# Altium PCB PCB1.PcbDoc
Units mil, origin at the board's own origin, x right, y up, seen from the top; angles counter-clockwise.
Board outline 6000 x 4000 mil, 2 copper layers (Top Layer, Bottom Layer); 18 components, 53 nets, 190 pads, 42 vias.
Unrouted connection lines stored in the file: 32.
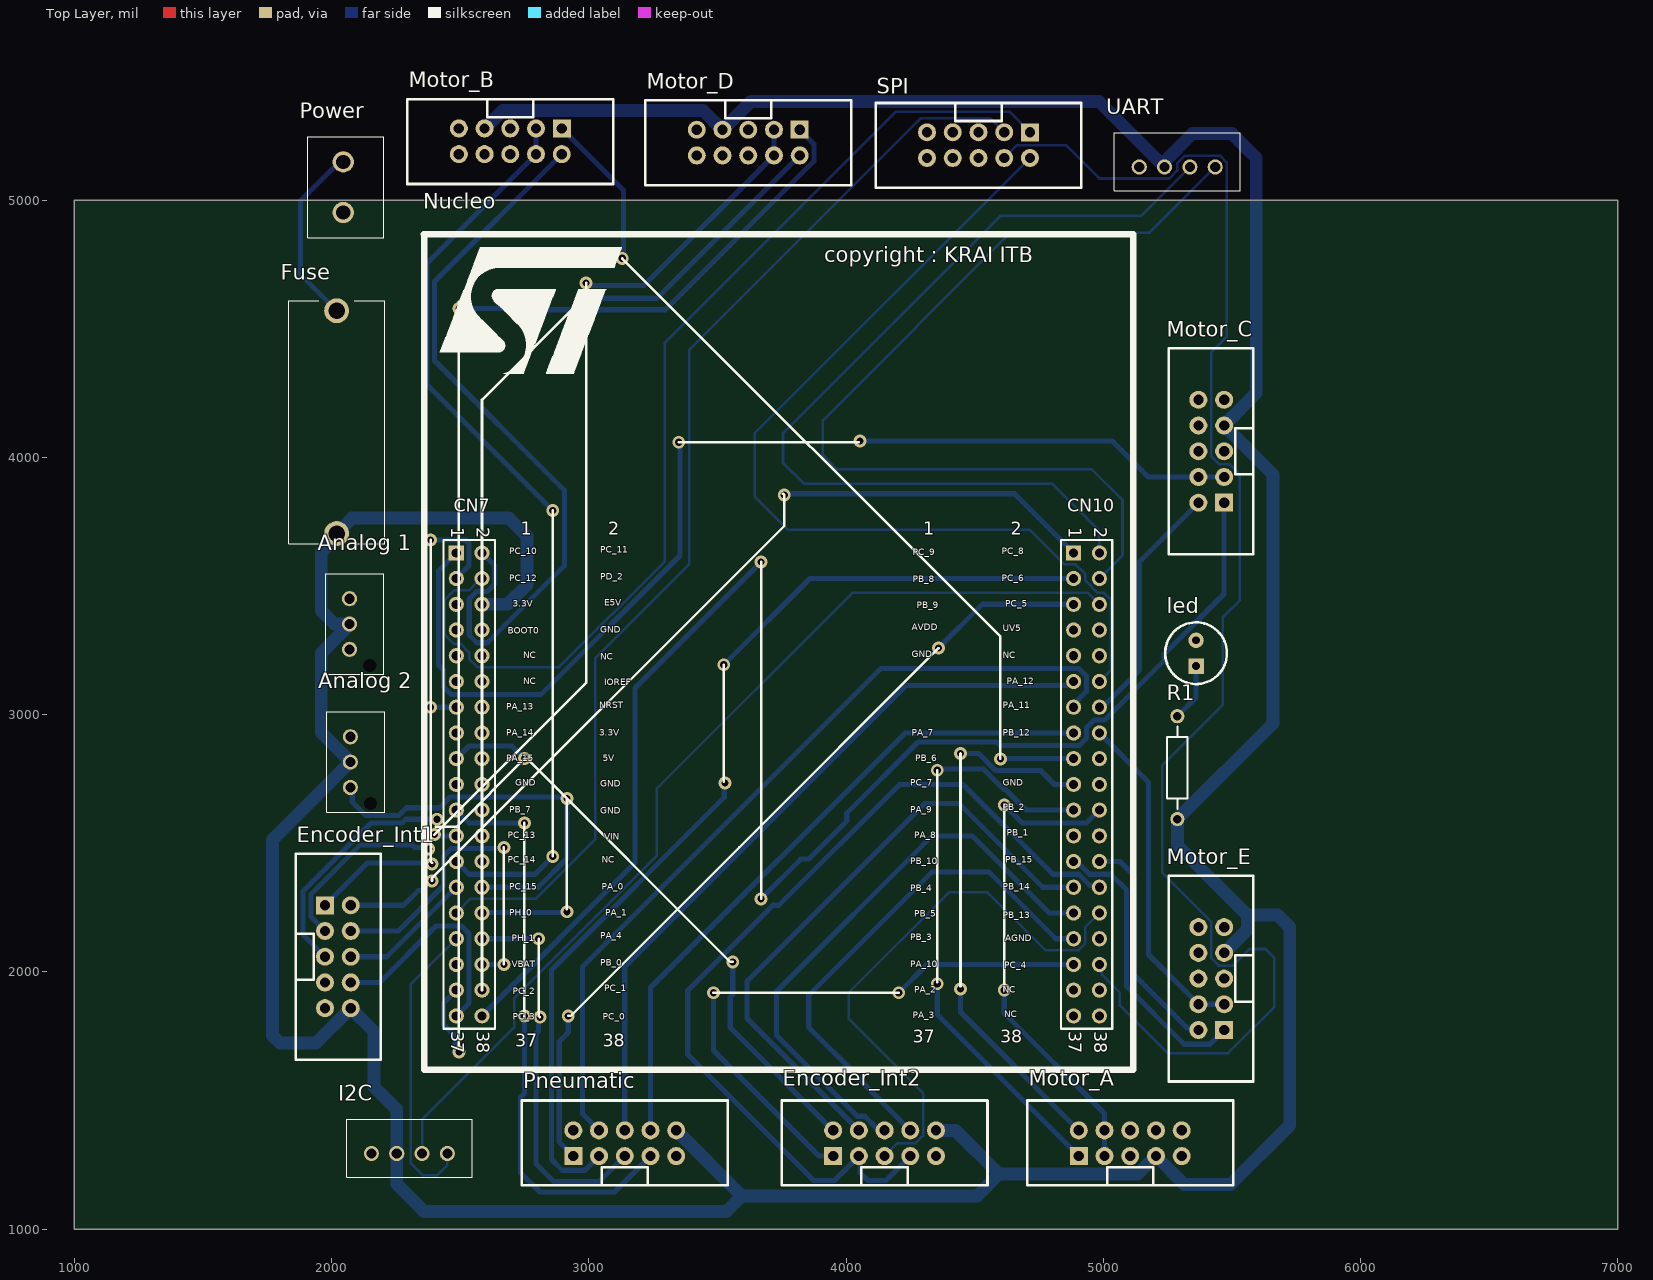
[diagram p0: Top Layer view]
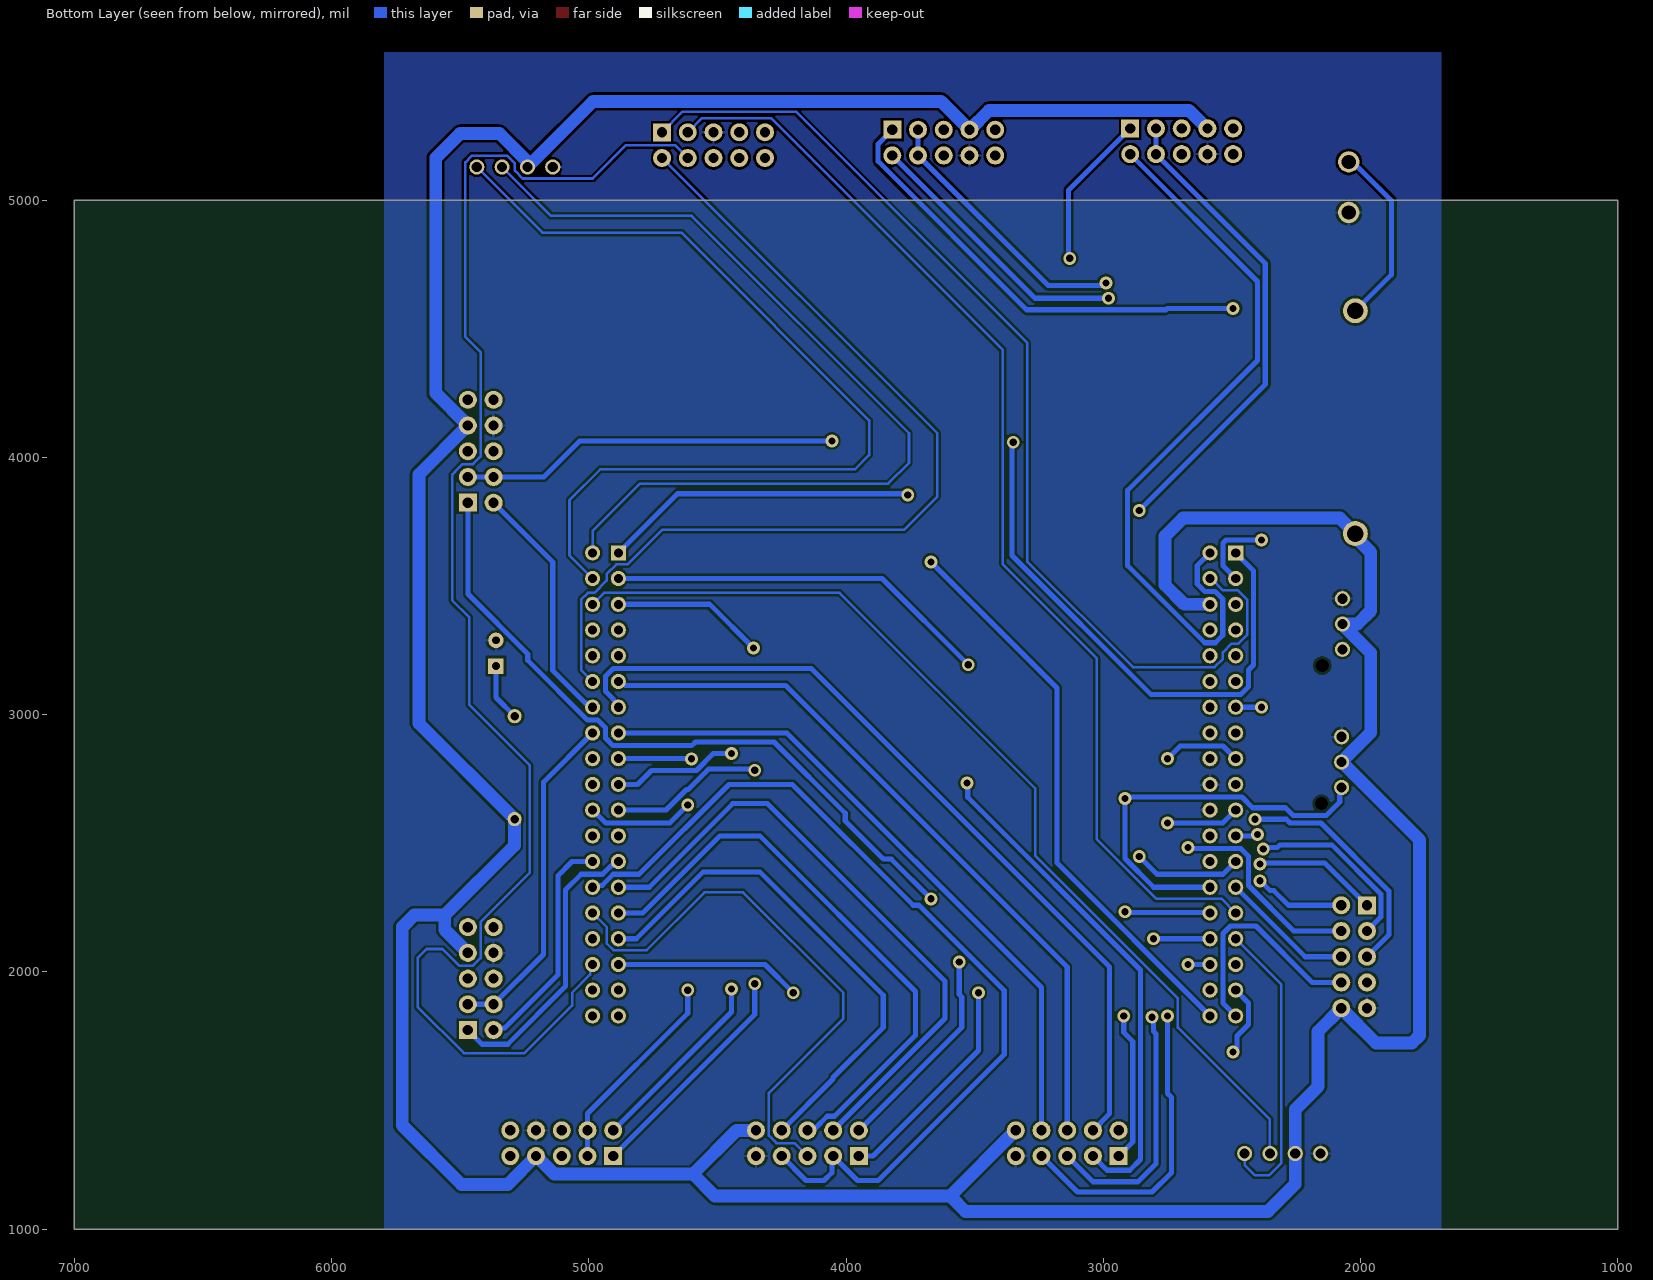
[diagram p1: Bottom Layer view, seen from below]

## Layer stack, top to bottom
Top Solder: solder mask 0.4, Solder Resist, Dk 3.5
Top Layer: signal copper 1.4
Dielectric 1: dielectric 12.6, FR-4, Dk 4.8
Bottom Layer: signal copper 1.4
Bottom Solder: solder mask 0.4, Solder Resist, Dk 3.5

## Board outline
1000,1000 7000,1000 7000,5000 1000,5000

## Design rules (kind name [scope] priority, off if disabled: settings)
Clearance [All] p1: gap=10 ignorepadtopadclearanceinfootprint=FALSE except(0: Arc-Hole Track-Hole SMDPad-Hole THPad-Hole Via-Hole Fill-Hole Poly-Hole Region-Hole Text-Hole)
PolygonConnect [All] p1: connectstyle=Relief reliefconductorwidth=10 reliefentries=4 polygonreliefangle="90 Angle" airgapwidth=10
RoomDefinition "Schematic Tugas 1_Magang 2" [InComponentClass('Schematic Tugas 1_Magang 2')] p1: confinementstyle=ConfineIn formatcopy=TRUE lockcomponents=FALSE outline 1685,984.03 5795,984.03 5795,5559.03 1685,5559.03
RoutingVias [All] p1: holewidth=28 width=50 viastyle="Through Hole" minholewidth=28 minwidth=50 maxholewidth=28 maxwidth=50
SolderMaskExpansion [All] p1: expansion=4 istentingtop=FALSE
Width [All] p1: maxlimit=50 minlimit=10 preferedwidth=20 toplayer_maxwidth=10 toplayer_prefwidth=10 minimp=50.000000 maximp=50.000000 favimp=50.000000
30 further rules are at their usual default settings.

## Components (designator, comment, footprint, x,y, rotation, side; value= is the part's Value field where it differs from the comment)
"Analog 1" "B3B-XH-AM_LF__SN_" B3BXHAMLFSN 2070,3450.88 r270 top
"Analog 2" "B3B-XH-AM_LF__SN_" B3BXHAMLFSN 2073.15,2914.03 r270 top
Encoder_Int1 "Header ISP" "Header ISP" 1874.72,2159.03 r270 top
Encoder_Int2 "Header ISP" "Header ISP" 4050,1184.03 r0 top
Fuse "C3131" C3131 2020,3704.03 r90 top
I2C "B4B-XH-A_LF__SN_" B4BXHALFSN 2155,1294.03 r0 top
led "LED 5mm" "LED 5mm" 5360.81,3239.03 r90 top
Motor_A "Header ISP" "Header ISP" 5005,1184.03 r0 top
Motor_B "Header ISP" "Header ISP" 2795,5379.03 r180 top
Motor_C "Header ISP" "Header ISP" 5570,3924.03 r90 top
Motor_D "Header ISP" "Header ISP" 3720,5374.03 r180 top
Motor_E "Header ISP" "Header ISP" 5570,1874.03 r90 top
Nucleo "Shield Nucleo F446RE/F401RE no Pinout" "Shield Nucleo-F446RE/F401RE-tanpaPinOut" 3760,3079.03 r0 top
Pneumatic "Header ISP" "Header ISP" 3040,1184.03 r0 top
Power "KF301-2P" KF3012P 2045.59,5149.03 r270 top
R1 "Resistor 0.25W" "Resistor 0.25W" 5288.1,2794.03 r90 top
SPI "Header ISP" "Header ISP" 4615,5364.03 r180 top
UART "B4B-XH-A_LF__SN_" B4BXHALFSN 5140,5129.03 r0 top

## Footprints (in the part's own frame and the unit in brackets; to place one, negate y for a bottom-side part, rotate by r counter-clockwise, add the part's x,y. Pads: shape width x height; smd on the part's side, far side on the other; paste and mask are expansions set on the pad)
B3BXHAMLFSN [mm]
  round 1.5 hole 1: 1(0,0) 2(2.5,0) 3(5,0)
  round 0.65 hole 1.3 unplated: 4(6.6,2)
  silkscreen extent -2.45,-2.35 7.45,3.4, body extent -2.45,-2.35 7.45,3.4, height 7.1
B4BXHALFSN [mm]
  round 1.5 hole 1: 1(0,0) 2(2.5,0) 3(5,0) 4(7.5,0)
  silkscreen extent -2.45,-2.35 9.95,3.4, body extent -2.45,-2.35 9.95,3.4, height 7.52
C3131 [mm]
  round 2.46 hole 1.64: 1(0,0) 2(22,0)
  silkscreen extent -1,-4.75 23,4.75, body extent -1,-4.75 23,4.75, height 10.6
"Header ISP" [mil]
  rect 70x70 hole 40: 1(-100,100)
  round 70 hole 40: 2(-100,200) 3(0,100) 4(0,200) 5(100,100) 6(100,200) 7(200,100) 8(200,200) 9(300,100) 10(300,200)
  silkscreen extent -300,-14 500,316, body extent -300,-20 501,334, height 365
KF3012P [mm]
  round 2.1 hole 1.4: 1(0,0) 2(5,0)
  silkscreen extent -2.5,-3.5 7.5,4, body extent -2.99,-3.35 7.51,4.15, height 10
"LED 5mm" [mil]
  rect 60x60 hole 30: 1(-50,0)
  round 60 hole 30: 2(50,0)
  silkscreen extent -120,-120 120,120, body extent -117,-118 96,118, height 268
"Resistor 0.25W" [mm]
  round 1.4 hole 0.85: 1(-5.08,0) 2(5.08,0)
  silkscreen extent -4.06,-1.02 4.06,1.02, body extent -5.35,-1.27 5.35,1.33, height 2.7
"Shield Nucleo-F446RE/F401RE-tanpaPinOut" [mm] "Tanpa pin out"
  round 1.5 hole 0.9: 3.3V(-32.385,8.89) 3V3(-29.845,-3.81) 5V(-29.845,-6.35) AGND(31.115,-24.13) AVDD(28.575,6.35) BOOT0(-32.385,6.35) E5V(-29.845,8.89) GND(-29.845,6.35) GND1(-32.385,-8.89) GND2(-29.845,-8.89) GND3(-29.845,-11.43) GND4(28.575,3.81) GND5(31.115,-8.89) IOREF(-29.845,1.27) NC1(-32.385,3.81) NC2(-32.385,1.27) NC3(-29.845,3.81) NC4(-29.845,-16.51) NC5(31.115,3.81) NC6(31.115,-6.35) NC7(31.115,-29.21) NC8(31.115,-31.75) NRST(-29.845,-1.27) PA_0(-29.845,-19.05) PA_1(-29.845,-21.59) PA_2(28.575,-29.21) PA_3(28.575,-31.75) PA_4(-29.845,-24.13) PA_5(28.575,1.27) PA_6(28.575,-1.27) PA_7(28.575,-3.81) PA_8(28.575,-13.97) PA_9(28.575,-11.43) PA_10(28.575,-26.67) PA_11(31.115,-1.27) PA_12(31.115,1.27) PA_13(-32.385,-1.27) PA_14(-32.385,-3.81) PA_15(-32.385,-6.35) PB_0(-29.845,-26.67) PB_1(31.115,-13.97) PB_2(31.115,-11.43) PB_3(28.575,-24.13) PB_4(28.575,-19.05) PB_5(28.575,-21.59) PB_6(28.575,-6.35) PB_7(-32.385,-11.43) PB_8(28.575,11.43) PB_9(28.575,8.89) PB_10(28.575,-16.51) PB_12(31.115,-3.81) PB_13(31.115,-21.59) PB_14(31.115,-19.05) PB_15(31.115,-16.51) PC_0(-29.845,-31.75) PC_1(-29.845,-29.21) PC_2(-32.385,-29.21) PC_3(-32.385,-31.75) PC_4(31.115,-26.67) PC_5(31.115,8.89) PC_6(31.115,11.43) PC_7(28.575,-8.89) PC_8(31.115,13.97) PC_11(-29.845,13.97) PC_12(-32.385,11.43) PC_13(-32.385,-13.97) PC_14(-32.385,-16.51) PC_15(-32.385,-19.05) PD_2(-29.845,11.43) PH_0(-32.385,-21.59) PH_1(-32.385,-24.13) UV5(31.115,6.35) VBAT(-32.385,-26.67) VIN(-29.845,-13.97)
  rect 1.5x1.5 hole 0.9: PC_9(28.575,13.97) PC_10(-32.385,13.97)
  Bottom Layer lines w0.254: 28.321,-13.716 28.575,-13.97
  silkscreen extent -35.59,-37.08 34.44,45.42, body extent -35.58,-36.78 34.42,47.19, height 21.99

## Part data
"Analog 1" "Analog 2": "Connector", Arrow Part Number=B3B-XH-AM(LF)(SN), Manufacturer_Name="JST (JAPAN SOLDERLESS TERMINALS)", Arrow Price/Stock=https://www.arrow.com/en/products/b3b-xh-a-m-lf-sn/jst-manufacturing?region=europe, Datasheet Link=http://www.jst-mfg.com/product/pdf/eng/eXH.pdf, Height=7mm, Manufacturer_Part_Number=B3B-XH-AM(LF)(SN)
Fuse: "Undefined or Miscellaneous", Manufacturer_Name="Xucheng Elec", Datasheet Link=https://datasheet.lcsc.com/szlcsc/XC-Elec-Shenzhen-5x20-BLX-Fuse-holder_C3131.pdf, Height=10.5mm, Manufacturer_Part_Number=C3131
I2C UART: "Connector", Arrow Part Number=B4B-XH-A(LF)(SN), Manufacturer_Name="JST (JAPAN SOLDERLESS TERMINALS)", Arrow Price/Stock=https://www.arrow.com/en/products/b4b-xh-a-lf-sn/jst-manufacturing, Datasheet Link=https://datasheet.lcsc.com/szlcsc/JST-Sales-America-B4B-XH-A-LF-SN_C144395.pdf, Height=7mm, Manufacturer_Part_Number=B4B-XH-A(LF)(SN)
Nucleo: library part "Shield Nucleo-F446RE/F401RE-tanpa Pinout", "Tanpa Pinout"
Power: "Connector", Manufacturer_Name="Handson Technology", Datasheet Link=http://www.handsontec.com/dataspecs/terminal%20block-5mm.pdf, Height=10mm, Manufacturer_Part_Number=KF301-2P

## Via types
v1: diameter 50, hole 28, Top Layer to Bottom Layer, 42 vias

## Nets (pads, with @x,y where several pads share a name; then routed paths per layer and width w, separated by ;. In a path a pad name is that pad's centre, name@x,y a point inside that pad or via, vN(x,y) a via of type N, cw(c..) or ccw(c..) an arc to the next point about the centre after c; other vN are vias at no path point)
5V: "Analog 1.2" "Analog 2.2" Encoder_Int1.10 Encoder_Int2.10 Fuse.1 I2C.2 Motor_A.7 Motor_B.7 Motor_C.7 Motor_D.7 Motor_E.7 Nucleo.E5V Pneumatic.10 R1.1 UART.2 | length 16810.7
  Bottom Layer w50: Nucleo.E5V 2685,3429.03 2760,3504.03 2760,3694.03 2690,3764.03 2080,3764.03 Fuse.1 2020,3691.35 1960,3631.35 1960,3404.03 2011.57,3352.45 2070,3352.45 2070,3350 1960,3240 1960,2931.2 2073.15,2818.05 2073.15,2815.6 1770,2512.45 1770,1753.31 1799.29,1724.03 1939.72,1724.03 Encoder_Int1.10 2165,1768.74 2165,1554.03 2253.43,1465.6 I2C.2 2253.43,1175.6 2360,1069.03 3535,1069.03 3595,1129.03 ; Motor_B.7 2596.01,5279.03 2666.01,5349.03 3443.99,5349.03 3518.99,5274.03 Motor_D.7 3630,5384.03 4983.43,5384.03 UART.2 5240.16,5130.76 5240.16,5151.87 5347.31,5259.03 5500,5259.03 5595,5164.03 5595,4250.03 5470,4125.03 Motor_C.7 5660,3934.03 5660,2965.92 R1.1 5289.08,2593.05 5289.08,2491.66 5560,2220.74 ; Pneumatic.10 3595,1129.03 ; Encoder_Int2.10 4425,1384.03 4595,1214.03 ; Motor_E.7 5560,2164.03 5560,2220.74 ; 3595,1129.03 4510,1129.03 4595,1214.03 ; 4595,1214.03 5133.99,1214.03 5203.99,1284.03 Motor_A.7 5315,1174.03 5495,1174.03 5725,1404.03 5725,2174.03 5678.28,2220.74 5560,2220.74
Fuse: Fuse.2 Power.1 | length 714.6
  Bottom Layer w20: Fuse.2 1880,4710.17 1880,4999.03 2030,5149.03 Power.1
GND: "Analog 1.1" "Analog 2.1" Encoder_Int1.9 Encoder_Int2.9 I2C.1 led.2 Motor_A.8 Motor_B.8 Motor_C.8 Motor_D.8 Motor_E.8 Nucleo.GND2 Nucleo.GND3 Pneumatic.9 Power.2 SPI.5 UART.1
Netled_1: led.1 R1.2 | length 225.1
  Bottom Layer w20: R1.2 5360.81,3066.73 led.1
PA_0: "Analog 2.3" Nucleo.PA_0 | length 1556.8
  Bottom Layer w20: 2073.15,2717.17 2080.62,2709.7 2080.62,2660.98 2133.01,2608.59 2261.29,2608.59 2290.9,2638.21 2419.18,2638.21 2460.47,2679.5 2909.53,2679.5 v1(2915,2674.03) 2915,2440.39 2803.64,2329.03 Nucleo.PA_0
PA_1: "Analog 1.3" Nucleo.PA_1 | length 332.1
  Bottom Layer w20: Nucleo.PA_1 2587.5,2231.53 2912.5,2231.53 v1(2915,2234.03)
PA_4: Nucleo.PA_4 Pneumatic.5 | length 1211.6
  Bottom Layer w20: Nucleo.PA_4 v1(2805,2129.03) ; v1(2810,1824.03) 2805,1819.03 2805,1769.03 2795,1759.02 2795,1254.03 2865,1184.03 3040,1184.03 Pneumatic.5
PA_5: Nucleo.PA_5 Pneumatic.6 | length 2839.8
  Bottom Layer w20: Pneumatic.6 3140,2019.03 4235,3114.03 4859.43,3114.03 4874.43,3129.03 Nucleo.PA_5
PA_6: Nucleo.PA_6 Pneumatic.4 | length 3255.2
  Bottom Layer w20: Pneumatic.4 2975,1449.03 2975,2019.03 4135,3179.03 4905.04,3179.03 4934.53,3149.54 4934.53,3091.02 4905.47,3061.97 4905.47,3060.07 4885,3039.59 Nucleo.PA_6
PA_7: Nucleo.PA_7 Pneumatic.8 | length 2610.1
  Bottom Layer w20: Pneumatic.8 3240,1939.03 4230,2929.03 Nucleo.PA_7
PA_8: Nucleo.PA_8
PA_9: Motor_A.1 Nucleo.PA_9 | length 1496.2
  Bottom Layer w20: v1(4355,1954.03) 4355,1834.03 Motor_A.1 ; v1(4355,2784.03) 4360,2789.03 4533.46,2789.03 4613.46,2709.03 4620,2709.03 4700,2629.03 Nucleo.PA_9
PA_10: Encoder_Int2.1 Nucleo.PA_10 | length 1585.4
  Bottom Layer w20: v1(3485,1919.03) 3485,1694.03 3895,1284.03 Encoder_Int2.1 ; v1(4205,1919.03) 4315,2029.03 Nucleo.PA_10
PA_11: Motor_C.2 Nucleo.PA_11 | length 961.8
  Bottom Layer w20: Nucleo.PA_11 4995.57,3029.03 5016.04,3049.5 5017.94,3049.5 5140,3171.56 5140,3594.03 Motor_C.2
PA_12: Nucleo.PA_12 SPI.2 | length 3661.4
  Bottom Layer w10: SPI.2 3645,4094.03 3645,3848.67 3774.91,3718.76 4715,3718.76 4849.26,3584.5 4892.5,3584.5 4930.21,3546.79 4930.21,3520.84 4977.5,3473.55 5003.44,3473.55 5029.53,3447.47 5029.53,3173.55 Nucleo.PA_12
PA_13: Encoder_Int1.1 Nucleo.PA_13 | length 586
  Bottom Layer w20: Encoder_Int1.1 2139.72,2424.03 2385.93,2424.03 v1(2390.47,2419.49) ; v1(2385,3029.03) Nucleo.PA_13
PA_14: Nucleo.PA_14
PA_15: Encoder_Int1.5 Encoder_Int2.2 Nucleo.PA_15 | length 2057.3
  Bottom Layer w20: Encoder_Int1.5 1889.72,2144.03 1889.72,2314.74 2153.39,2578.41 2273.53,2578.41 2288.33,2593.21 v1(2409.86,2593.21) ; Nucleo.PA_15 2534.53,2878.55 2700.47,2878.55 v1(2750,2829.03) ; v1(3560,2039.03) 3560,1912.47 3550,1902.47 3550,1784.03 Encoder_Int2.2
PB_0: Encoder_Int1.4 Nucleo.PB_0 | length 882.1
  Bottom Layer w20: Encoder_Int1.4 2259.34,2159.03 2435.7,2335.39 2435.7,2392.35 2435.47,2392.57 2435.47,2449.54 2465.43,2479.5 2665.47,2479.5 v1(2670,2484.03) ; Nucleo.PB_0 v1(2670,2029.03)
PB_1: Nucleo.PB_1
PB_2: Motor_A.3 Motor_A.4 Nucleo.PB_2 | length 1225.9
  Bottom Layer w20: v1(4615,1929.03) 4615,1839.03 5005,1449.03 Motor_A.4 Motor_A.3 ; v1(4615,2649.03) 4684.53,2579.5 4935.47,2579.5 Nucleo.PB_2
PB_3: Encoder_Int2.8 Nucleo.PB_3 | length 2025.1
  Bottom Layer w20: Encoder_Int2.8 4050,1584.03 4050,1589.03 3855,1784.03 3855,1909.03 4335,2389.03 4555,2389.03 4815,2129.03 Nucleo.PB_3
PB_4: Encoder_Int2.4 Nucleo.PB_4 | length 2450.6
  Bottom Layer w20: Encoder_Int2.4 3615,1819.03 3615,1964.03 4305,2654.03 4440,2654.03 4765,2329.03 Nucleo.PB_4
PB_5: Encoder_Int2.6 Nucleo.PB_5 | length 2273.1
  Bottom Layer w20: Encoder_Int2.6 4140.43,1393.59 4118.21,1393.59 4072.78,1439.03 4045,1439.03 3730,1754.03 3730,1924.03 4335,2529.03 4490,2529.03 4790,2229.03 Nucleo.PB_5
PB_6: Motor_B.1 Nucleo.PB_6 | length 899
  Bottom Layer w20: Motor_B.1 3135,5039.03 3135,4779.03 v1(3130,4774.03) ; v1@4595,2833.56 v1(4600.29,2828.27) 4601.05,2829.03 Nucleo.PB_6
PB_7: Nucleo.PB_7 Pneumatic.7 | length 1496
  Bottom Layer w20: Nucleo.PB_7 2535,2579.03 v1(2750,2579.03) ; v1(2750,1829.03) 2750,1527.47 2735,1512.47 2735,1219.03 2810,1144.03 3100,1144.03 Pneumatic.7
PB_8: Nucleo.PB_8 Pneumatic.3 | length 3466.7
  Bottom Layer w20: Pneumatic.3 2985,1229.03 2896.72,1229.03 2855,1270.74 2855,2007.1 3526.92,2679.03 3526.92,2730.95 v1(3530,2734.03) ; v1(3525,3194.03) 3860,3529.03 Nucleo.PB_8
PB_9: Nucleo.PB_9 Pneumatic.1 | length 1177.7
  Bottom Layer w20: v1(2920,1829.03) 2920,1764.03 2885,1729.03 2885,1339.03 Pneumatic.1 ; v1(4360,3259.03) 4530,3429.03 Nucleo.PB_9
PB_10: Motor_E.1 Nucleo.PB_10 | length 1121.5
  Bottom Layer w20: Nucleo.PB_10 4895.57,2429.03 4916.04,2408.55 4917.94,2408.55 4947,2379.5 5029.53,2379.5 5090,2319.03 5090,1944.03 5315,1719.03 5415,1719.03 Motor_E.1
PB_11: Encoder_Int1.7
PB_12: Motor_E.3 Motor_E.4 Nucleo.PB_12 | length 1314.5
  Bottom Layer w20: Nucleo.PB_12 5176.45,2737.57 5176.45,2067.57 Motor_E.4 Motor_E.3
PB_13: Encoder_Int2.5 Nucleo.PB_13 | length 2185.6
  Bottom Layer w10: Encoder_Int2.5 4200,1334.03 4270.71,1334.03 4300,1363.31 4300,1377.17 cw(c4349.54,1383.96) 4299.88,1378.11 ; 4299.88,1378.15 cw(c4309.81,1379.28) 4299.84,1380.03 ccw(c4250,1384.03) 4299.84,1387.97 4299.82,1388.65 4299.82,1529.21 4010,1819.03 4010,1919.03 4400,2309.03 4550,2309.03 4774.53,2084.5 4904.53,2084.5 4929.53,2109.5 4929.53,2173.55 Nucleo.PB_13
PB_14: Encoder_Int2.3 Encoder_Int2.7 Nucleo.PB_14 | length 3567.4
  Bottom Layer w20: Encoder_Int2.7 4155,1189.03 4085,1189.03 4055,1219.03 4055,1279.03 Encoder_Int2.3 3955,1189.03 3875,1189.03 3385,1679.03 3385,1927.66 3716.36,2259.03 3738.64,2259.03 4208.64,2729.03 4455,2729.03 4804.53,2379.5 4904.57,2379.5 4947.57,2336.5 4977.53,2336.5 Nucleo.PB_14
PB_15: Motor_E.2 Nucleo.PB_15 | length 881.8
  Bottom Layer w20: Nucleo.PB_15 5065,2429.03 5120,2374.03 5120,1989.03 5326.54,1782.49 5361.54,1782.49 Motor_E.2
PC_0: Motor_C.1 Nucleo.PC_0 | length 4928
  Bottom Layer w20: Nucleo.PC_0 3180,2424.03 3180,3104.03 v1(3670,3594.03) ; v1(3670,2284.03) 3824.31,2438.33 3854.31,2438.33 4002.87,2586.9 4002.87,2616.9 4280,2894.03 4585.49,2894.03 4600.02,2879.5 4905.52,2879.5 4935,2908.98 4935,2949.07 4965.43,2979.5 5005.52,2979.5 5237.28,3211.27 5237.28,3236.21 5470,3468.93 Motor_C.1
PC_1: Motor_D.2 Nucleo.PC_1 | length 1069.9
  Bottom Layer w20: v1(2980,4619.03) 3265,4619.03 Motor_D.2
PC_2: Motor_D.1 Nucleo.PC_2 | length 2045.7
  Bottom Layer w20: v1@2480,1689.03 2480,1751.06 2435.47,1795.58 2435.47,1879.5 Nucleo.PC_2 ; v1(2495,4579.03) 2751.25,4579.03 2756.25,4574.03 3297.78,4574.03 3875,5151.24 3875,5219.03 Motor_D.1
  other v1: 2495,1689.03
PC_3: Encoder_Int1.8 Nucleo.PC_3 | length 903.8
  Bottom Layer w20: Encoder_Int1.8 2187.12,1959.03 2406.64,2178.55 2505.51,2178.55 2534.53,2149.54 2534.53,1878.55 Nucleo.PC_3
PC_4: Nucleo.PC_4 SPI.4 | length 5828.3
  Bottom Layer w10: SPI.4 4665,5214.03 4855.08,5214.03 4984.6,5084.5 5256.87,5084.5 5287.64,5115.27 5287.64,5142.78 5318.41,5173.55 5453.72,5173.55 5479.8,5147.47 5479.8,4468.83 5420,4409.03 5420,4003.31 5449.29,3974.03 5490.71,3974.03 5520,3944.74 5520,3944.03 5530,3934.03 5530,3904.03 5530.86,3903.17 5530.86,3444.88 5465,3379.03 5465,3039.03 5230,2804.03 5230,2384.74 5420,2194.74 5420,2053.31 5449.29,2024.03 5503.85,2024.03 5568.85,2089.03 5630,2089.03 5665,2054.03 5665,1864.03 5485,1684.03 5250,1684.03 5065,1869.03 5065,1919.03 4994.39,1989.64 4994.39,2019.64 Nucleo.PC_4
PC_5: I2C.3 Nucleo.PC_5 | length 3851.3
  Bottom Layer w10: I2C.3 2351.85,1425.88 2710,1784.03 2710,1897.46 3265,2452.46 3265,2714.03 4024.53,3473.55 4940.47,3473.55 Nucleo.PC_5
PC_6: Nucleo.PC_6 UART.4 | length 3648
  Bottom Layer w10: Nucleo.PC_6 5075,3619.03 5075,3834.03 4955,3954.03 3965,3954.03 3910,4009.03 3910,4144.03 4639.72,4873.75 5180,4873.75 UART.4
PC_7: Motor_A.2 Nucleo.PC_7 | length 1230.2
  Bottom Layer w20: v1(4445,1934.03) 4445,1844.03 Motor_A.2 ; v1(4445,2849.03) 4515.89,2849.03 4581.65,2783.27 4755.76,2783.27 4810,2729.03 Nucleo.PC_7
PC_8: Nucleo.PC_8 UART.3 | length 3550.3
  Bottom Layer w10: Nucleo.PC_8 4985,3714.03 4800.86,3898.17 3835.86,3898.17 3755,3979.03 3755,4094.03 4600,4939.03 5146.85,4939.03 UART.3
PC_9: Encoder_Int1.2 Nucleo.PC_9 | length 1577.7
  Bottom Layer w20: Encoder_Int1.2 2280,2259.03 2336.89,2315.91 2351.03,2315.91 2389.14,2354.03 v1(2390.7,2354.03) ; v1(3760,3854.03) 3765,3859.03 4655,3859.03 Nucleo.PC_9
PC_10: Motor_C.3 Motor_C.4 Nucleo.PC_10 | length 3628.1
  Bottom Layer w20: Nucleo.PC_10 2415.47,3559.5 2415.47,3193.55 2435.47,3173.55 2435.47,3108.51 2464.96,3079.03 2815,3079.03 3355,3619.03 3355,4054.03 v1(3350,4059.03) ; v1(4055,4064.03) 5035,4064.03 5175,3924.03 Motor_C.4 Motor_C.3
PC_11: Motor_B.2 Nucleo.PC_11 | length 2925.4
  Bottom Layer w20: Nucleo.PC_11 2634.53,3579.5 2634.53,3508.51 2605.04,3479.03 2564.96,3479.03 2535.47,3449.54 2535.47,3308.51 2564.49,3279.5 2605.51,3279.5 2905,3578.98 2905,3872.24 2400,4377.24 2400,4684.03 Motor_B.2
PC_12: Encoder_Int1.3 Nucleo.PC_12 | length 1023.3
  Bottom Layer w20: Encoder_Int1.3 1919.72,2214.03 1919.72,2302.31 2111.43,2494.03 2313.05,2494.03 2323.15,2483.93 2372.31,2483.93 v1(2378.05,2478.19) ; v1(2385,3679.03) 2385.47,3678.55 2522.81,3678.55 2534.53,3666.84 2534.53,3578.55 Nucleo.PC_12
PC_13: Motor_D.3 Motor_D.4 Nucleo.PC_13 | length 1130.2
  Bottom Layer w20: v1(2400,2534.03) 2405,2529.03 Nucleo.PC_13 ; v1(2989.81,4678.22) 2997.93,4678.22 3007.12,4669.03 3215,4669.03 Motor_D.4 Motor_D.3
PC_14: Motor_B.3 Motor_B.4 Nucleo.PC_14 | length 2288.3
  Bottom Layer w20: Nucleo.PC_14 2534.53,2379.5 2790.47,2379.5 v1(2860,2449.03) ; Motor_B.3 Motor_B.4 2370,4754.03 2370,4284.03 v1(2860,3794.03)
PC_15: Encoder_Int1.6 Nucleo.PC_15 | length 522.1
  Bottom Layer w20: Encoder_Int1.6 2215,2059.03 Nucleo.PC_15
PD_2: Nucleo.PD_2 SPI.1 | length 4082.5
  Bottom Layer w10: Nucleo.PD_2 2579.6,3529.03 2534.13,3483.55 2476.56,3483.55 2440.47,3447.47 2440.47,3310.58 2474.76,3276.29 2500.71,3276.29 2535,3242 2535,3216.05 2566.56,3184.5 2885.12,3184.5 3295,3594.38 3295,4444.03 4195,5344.03 4635,5344.03 SPI.1
PH_0: Nucleo.PH_0 SPI.3 | length 4332.9
  Bottom Layer w10: Nucleo.PH_0 2540.47,2284.5 2794.47,2284.5 3025,2515.03 3025,3219.03 3390,3584.03 3390,4416.81 4292.22,5319.03 4560,5319.03 SPI.3
PH_1: I2C.4 Nucleo.PH_1 | length 1170
  Bottom Layer w10: I2C.4 2450.28,1249.3 2410,1209.03 2355,1209.03 2307.32,1256.7 2307.32,1951.35 Nucleo.PH_1
pads on no net: "Analog 1.4" "Analog 2.4" Motor_A.5 Motor_A.6 Motor_A.9 Motor_A.10 Motor_B.5 Motor_B.6 Motor_B.9 Motor_B.10 Motor_C.5 Motor_C.6 Motor_C.9 Motor_C.10 Motor_D.5 Motor_D.6 Motor_D.9 Motor_D.10 Motor_E.5 Motor_E.6 Motor_E.9 Motor_E.10 Nucleo.3.3V Nucleo.3V3 Nucleo.5V Nucleo.AGND Nucleo.AVDD Nucleo.BOOT0 Nucleo.GND Nucleo.GND1 Nucleo.GND4 Nucleo.GND5 Nucleo.IOREF Nucleo.NC1 Nucleo.NC2 Nucleo.NC3 Nucleo.NC4 Nucleo.NC5 Nucleo.NC6 Nucleo.NC7 Nucleo.NC8 Nucleo.NRST Nucleo.PA_2 Nucleo.PA_3 Nucleo.UV5 Nucleo.VBAT Nucleo.VIN Pneumatic.2 SPI.6 SPI.7 SPI.8 SPI.9 SPI.10

## Polygon pours and split planes (outlines as drawn)
GND on Bottom Layer "GND_L02_P000" (solid, pour order 0): 1685,5575 5795,5575 5795,1000 1685,1000

## Silkscreen, mask and mechanical layers (free items; w line width, h text height)
Top Overlay:
  lines w10: 2385,2494.03 2385,3679.03 ; 2385,3029.03 2385,2429.5 2390.47,2424.03 ; 2390.7,2354.03 2390.7,2364.72 3760,3734.03 3760,3854.03 3755,3859.03 ; 2400,2534.03 2989.81,3123.83 2989.81,4678.22 ; 2405,2564.03 2485,2564.03 2750,2829.03 ; 2494,1715.03 2494,4605.03 ; 2585,1929.03 2585,4224.03 2980,4619.03 ; 2670,2029.03 2670,2484.03 ; 2750,1819.03 2750,2579.03 ; 2770,2829.03 2760,2829.03 3550,2039.03 3560,2039.03 ; 2805,2129.03 2805,1829.03 2810,1824.03 ; 2860,2449.03 2860,3794.03 ; 2915,2244.03 2915,2674.03 ; 2920,1829.03 2930,1829.03 3585,2484.03 4360,3259.03 ; 3130,4774.03 4600.29,3303.74 4600.29,2828.27 ; 3350,4059.03 4050,4059.03 ; 3485,1919.03 4205,1919.03 ; 3525,2739.03 3525,3194.03 ; 3670,2285.16 3670,3594.03 ; 4355,1959.03 4355,2784.03 ; 4445,1944.03 4445,2849.03 ; 4615,1929.03 4615,2649.03

## Text inside footprints (layer, text, board x,y; h text height)
Nucleo: Top Overlay "copyright : KRAI ITB" at 3915,4759.03 h60; Top Overlay "2" at 2565,3729.03 h50 r270; Top Overlay "1" at 2465,3729.03 h50 r270; Top Overlay "37" at 2465,1769.03 h50 r270; Top Overlay "38" at 2565,1769.03 h50 r270; Top Overlay "1" at 2735,3699.03 h50; Top Overlay "2" at 4965,3729.03 h50 r270; Top Overlay "1" at 4865,3729.03 h50 r270; Top Overlay "37" at 4865,1769.03 h50 r270; Top Overlay "38" at 4965,1769.03 h50 r270; Top Overlay "PC_10" at 2690,3624.03 h25; Top Overlay "PC_12" at 2690,3519.03 h25; Top Overlay "3.3V" at 2705,3419.03 h25; Top Overlay "BOOT0" at 2685,3314.03 h25; Top Overlay "NC" at 2745,3219.03 h25; Top Overlay "NC" at 2745,3119.03 h25; Top Overlay "PA_13" at 2680,3019.03 h25; Top Overlay "PA_14" at 2680,2919.03 h25; Top Overlay "PA_15" at 2680,2819.03 h25; Top Overlay "GND" at 2715,2724.03 h25; Top Overlay "PB_7" at 2690,2619.03 h25; Top Overlay "PC_13" at 2685,2519.03 h25; Top Overlay "PC_14" at 2685,2424.03 h25; Top Overlay "PC_15" at 2690,2319.03 h25; Top Overlay "PH_0" at 2690,2219.03 h25; Top Overlay "PH_1" at 2700,2119.03 h25; Top Overlay "VBAT" at 2700,2019.03 h25; Top Overlay "PC_2" at 2705,1914.03 h25; Top Overlay "PC_3" at 2705,1814.03 h25; Top Overlay "E5V" at 3060,3424.03 h25; Top Overlay "PD_2" at 3045,3524.03 h25; Top Overlay "PC_11" at 3045,3629.03 h25; Top Overlay "IOREF" at 3060,3114.03 h25; Top Overlay "NC" at 3045,3214.03 h25; Top Overlay "GND" at 3045,3319.03 h25; Top Overlay "5V" at 3055,2819.03 h25; Top Overlay "3.3V" at 3040,2919.03 h25; Top Overlay "NRST" at 3040,3024.03 h25; Top Overlay "VIN" at 3060,2514.03 h25; Top Overlay "GND" at 3045,2614.03 h25; Top Overlay "GND" at 3045,2719.03 h25; Top Overlay "PA_1" at 3065,2219.03 h25; Top Overlay "PA_0" at 3050,2319.03 h25; Top Overlay "NC" at 3050,2424.03 h25; Top Overlay "PC_1" at 3060,1924.03 h25; Top Overlay "PB_0" at 3045,2024.03 h25; Top Overlay "PA_4" at 3045,2129.03 h25; Top Overlay "PC_0" at 3055,1814.03 h25; Top Overlay "PB_9" at 4275,3414.03 h25; Top Overlay "PB_8" at 4260,3514.03 h25; Top Overlay "PC_9" at 4260,3619.03 h25; Top Overlay "GND" at 4255,3224.03 h25; Top Overlay "AVDD" at 4255,3329.03 h25; Top Overlay "PB_6" at 4270,2819.03 h25; Top Overlay "PA_7" at 4255,2919.03 h25; Top Overlay "PA_9" at 4250,2619.03 h25; Top Overlay "PC_7" at 4250,2724.03 h25; Top Overlay "PB_4" at 4250,2314.03 h25; Top Overlay "PB_3" at 4250,2124.03 h25; Top Overlay "PC_5" at 4620,3419.03 h25; Top Overlay "PC_6" at 4605,3519.03 h25; Top Overlay "PC_8" at 4605,3624.03 h25; Top Overlay "PA_12" at 4625,3119.03 h25; Top Overlay "NC" at 4610,3219.03 h25; Top Overlay "UV5" at 4610,3324.03 h25; Top Overlay "PB_12" at 4610,2919.03 h25; Top Overlay "PA_11" at 4610,3024.03 h25; Top Overlay "PB_15" at 4620,2424.03 h25; Top Overlay "PB_1" at 4625,2529.03 h25; Top Overlay "GND" at 4610,2724.03 h25; Top Overlay "AGND" at 4620,2119.03 h25; Top Overlay "PB_13" at 4610,2209.03 h25; Top Overlay "PB_14" at 4610,2319.03 h25; Top Overlay "NC" at 4615,1824.03 h25; Top Overlay "NC" at 4610,1919.03 h25; Top Overlay "PC_4" at 4615,2014.03 h25; Top Overlay "PA_3" at 4260,1819.03 h25; Top Overlay "PB_2" at 4610,2629.03 h25; Top Overlay "2" at 3075,3699.03 h50; Top Overlay "2" at 4640,3699.03 h50; Top Overlay "1" at 4300,3699.03 h50; Top Overlay "38" at 3055,1709.03 h50; Top Overlay "37" at 2715,1709.03 h50; Top Overlay "37" at 4260,1724.03 h50; Top Overlay "38" at 4600,1724.03 h50; Top Overlay "CN7" at 2475,3789.03 h50; Top Overlay "CN10" at 4860,3789.03 h50; Top Overlay "PA_8" at 4265,2519.03 h25; Top Overlay "PB_5" at 4265,2214.03 h25; Top Overlay "PB_10" at 4250,2419.03 h25; Top Overlay "PA_2" at 4265,1919.03 h25; Top Overlay "PA_10" at 4250,2019.03 h25